# Altium PCB openservo_tessellated.PcbDoc (part 6 of 13) (continued)
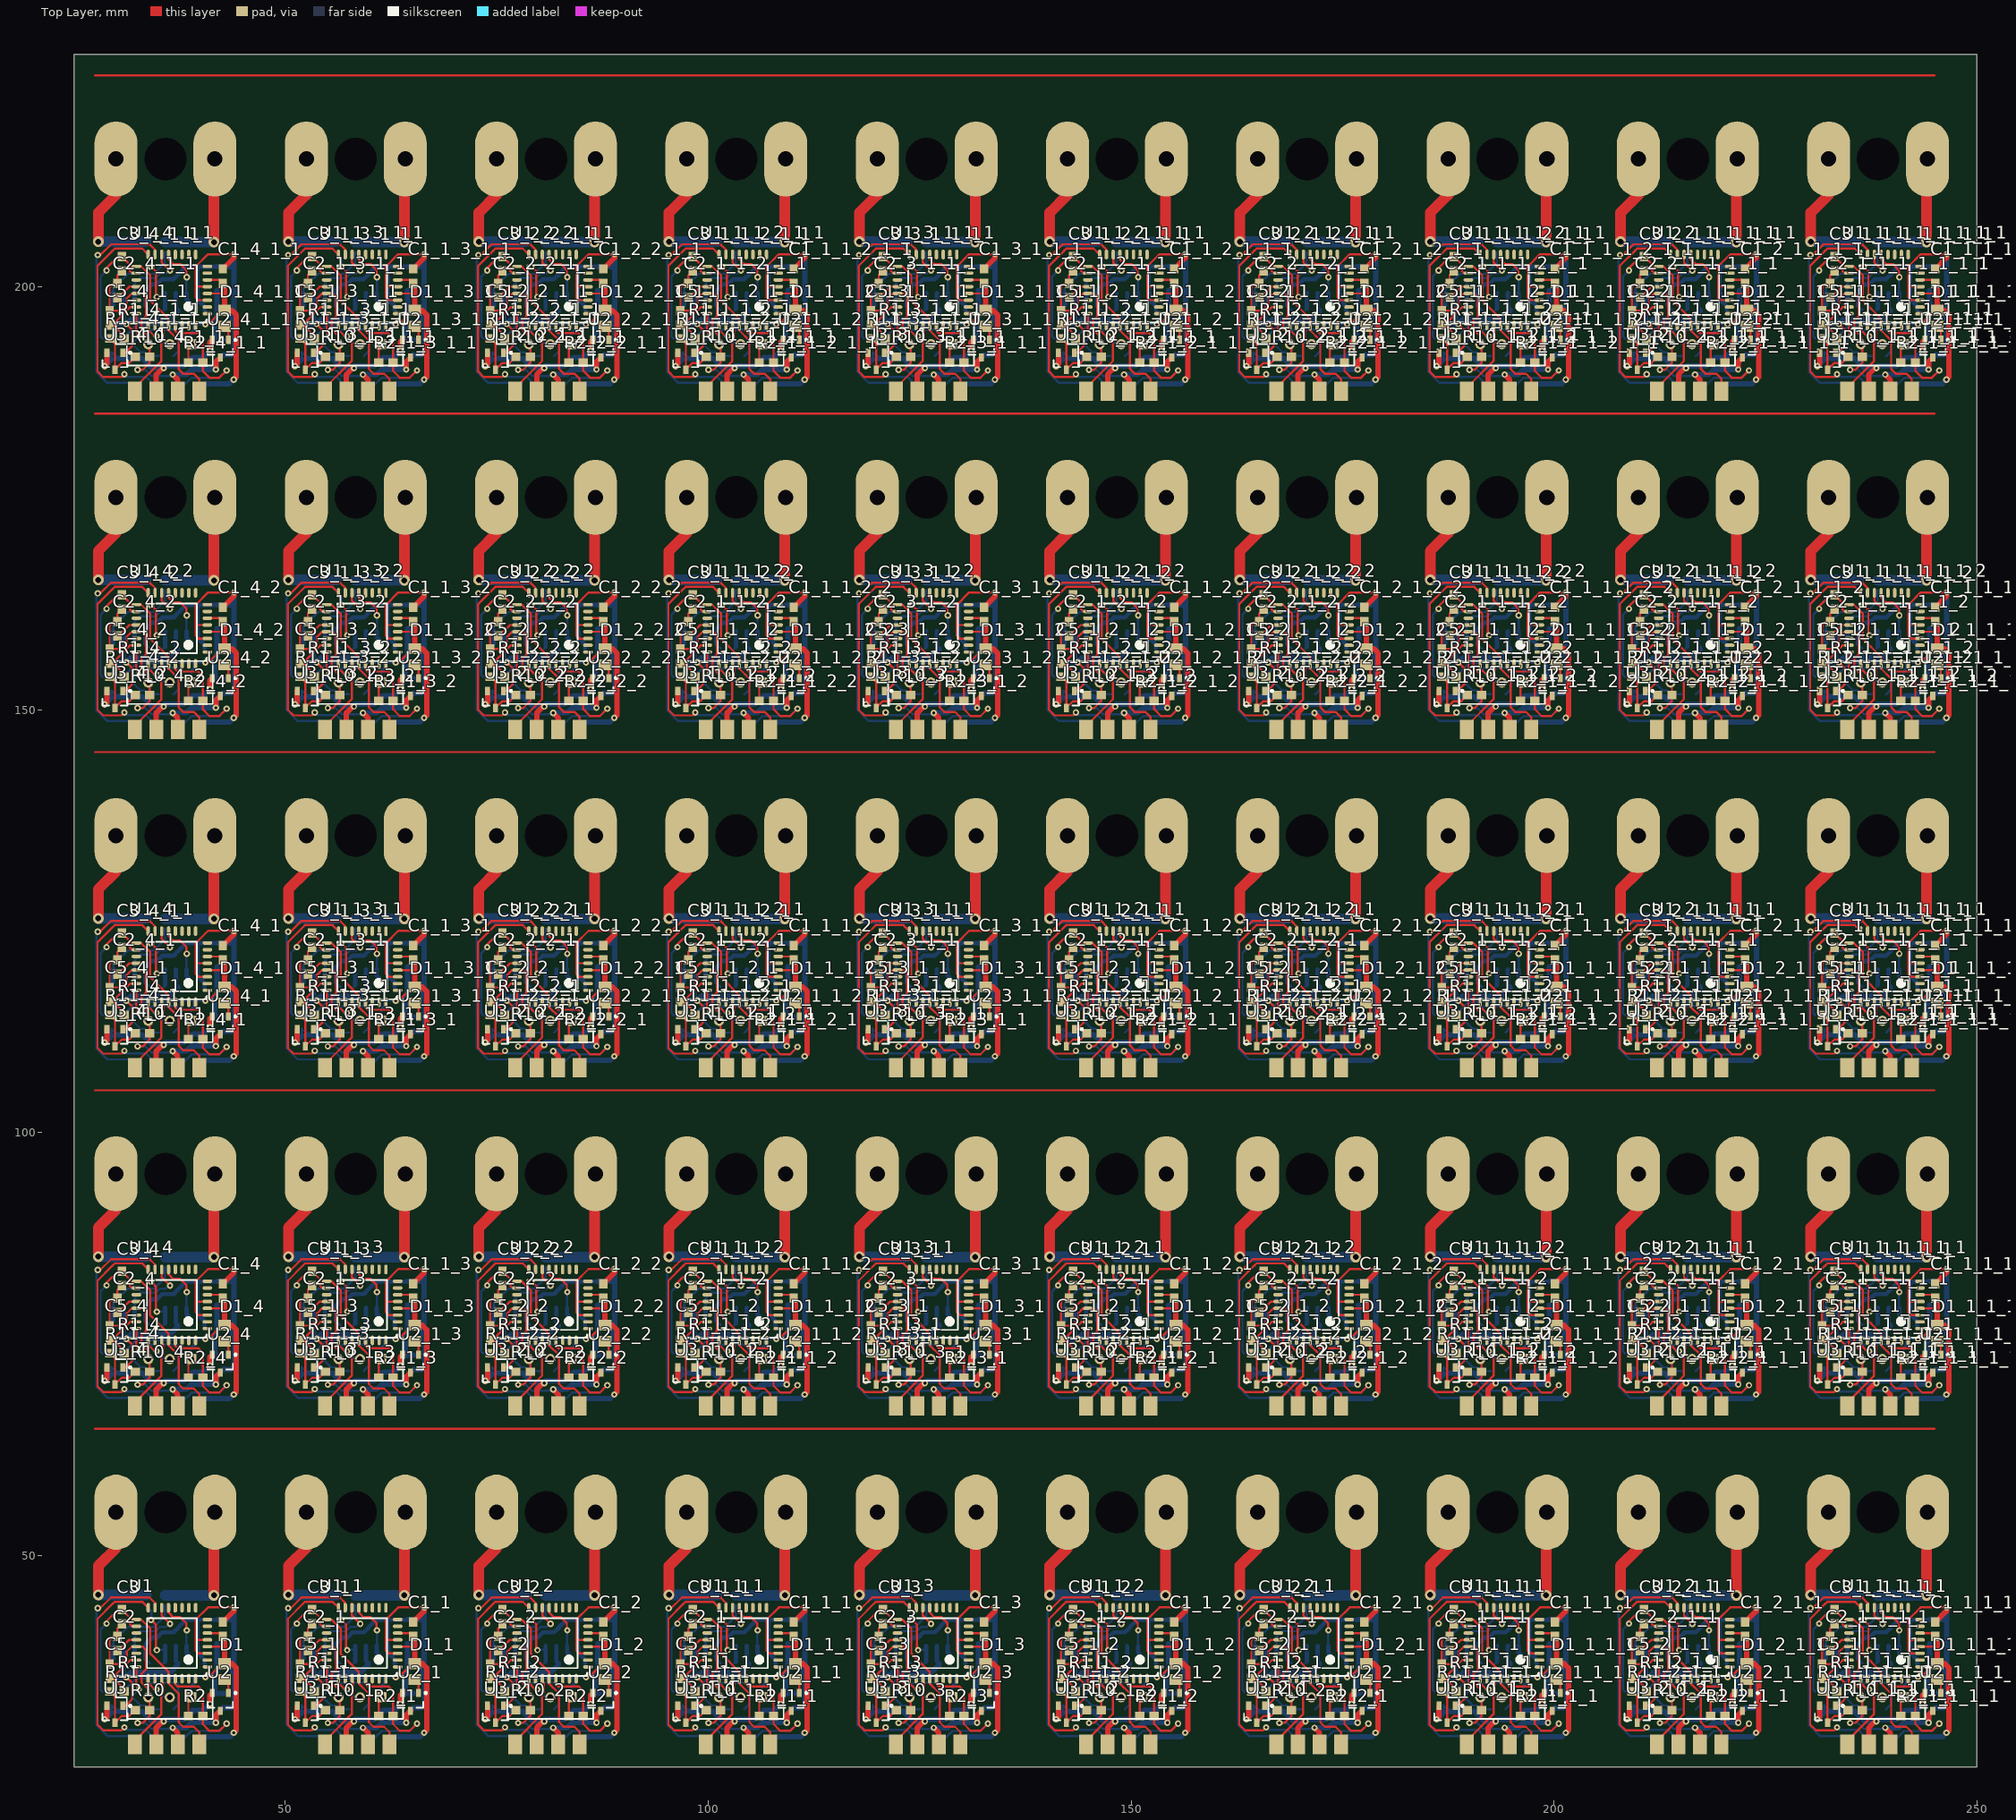
[diagram p0: Top Layer view]
## Nets (pads, with @x,y where several pads share a name; then routed paths per layer and width w, separated by ;. In a path a pad name is that pad's centre, name@x,y a point inside that pad or via, vN(x,y) a via of type N, cw(c..) or ccw(c..) an arc to the next point about the centre after c; other vN are vias at no path point) (continued)
61.337,73.35 ; 61.02,111.039 61.02,113.034 61.337,113.35 ; 61.02,151.039 61.02,153.034 61.337,153.35 ; 61.02,191.039 61.02,193.034 61.337,193.35 ; v1(63.038,35.585) 63.369,35.585 65.004,37.221 65.299,37.221 ; v1(63.038,75.585) 63.369,75.585 65.004,77.221 65.299,77.221 ; v1(63.038,115.585) 63.369,115.585 65.004,117.221 65.299,117.221 ; v1(63.038,155.585) 63.369,155.585 65.004,157.221 65.299,157.221 ; v1(63.038,195.585) 63.369,195.585 65.004,197.221 65.299,197.221 ; 63.244,40.056 63.276,40.024 61.895,40.024 ; 63.244,80.056 63.276,80.024 61.895,80.024 ; 63.244,120.056 63.276,120.024 61.895,120.024 ; 63.244,160.056 63.276,160.024 61.895,160.024 ; 63.244,200.056 63.276,200.024 61.895,200.024 ; 63.276,38.424 62.232,38.424 61.895,38.76 61.895,40.024 ; 63.276,39.224 65.28,39.224 ; 63.276,40.824 64.697,40.824 65.096,40.425 65.299,40.222 ; 63.276,78.424 62.232,78.424 61.895,78.76 61.895,80.024 ; 63.276,79.224 65.28,79.224 ; 63.276,80.824 64.697,80.824 65.096,80.425 65.299,80.222 ; 63.276,118.424 62.232,118.424 61.895,118.76 61.895,120.024 ; 63.276,119.224 65.28,119.224 ; 63.276,120.824 64.697,120.824 65.096,120.425 65.299,120.222 ; 63.276,158.424 62.232,158.424 61.895,158.76 61.895,160.024 ; 63.276,159.224 65.28,159.224 ; 63.276,160.824 64.697,160.824 65.096,160.425 65.299,160.222 ; 63.276,198.424 62.232,198.424 61.895,198.76 61.895,200.024 ; 63.276,199.224 65.28,199.224 ; 63.276,200.824 64.697,200.824 65.096,200.425 65.299,200.222 ; 64.054,55.016 64.156,55.118 ; 64.054,95.016 64.156,95.118 ; 64.054,135.016 64.156,135.118 ; 64.054,175.016 64.156,175.118 ; 64.054,215.016 64.156,215.118 ; 65.741,33.74 65.741,34.879 ; 65.741,73.74 65.741,74.879 ; 65.741,113.74 65.741,114.879 ; 65.741,153.74 65.741,154.879 ; 65.741,193.74 65.741,194.879 ; v1(66.417,43.866) 63.346,43.866 61.895,42.416 61.895,40.024 ; v1(66.417,83.866) 63.346,83.866 61.895,82.416 61.895,80.024 ; v1(66.417,123.866) 63.346,123.866 61.895,122.416 61.895,120.024 ; v1(66.417,163.866) 63.346,163.866 61.895,162.416 61.895,160.024 ; v1(66.417,203.866) 63.346,203.866 61.895,202.416 61.895,200.024 ; v1(72.813,43.764) 73.118,43.764 74.391,45.037 78.931,45.037 79.576,44.393 79.576,43.824 ; v1(72.813,83.764) 73.118,83.764 74.391,85.037 78.931,85.037 79.576,84.393 79.576,83.824 ; v1(72.813,123.764) 73.118,123.764 74.391,125.037 78.931,125.037 79.576,124.393 79.576,123.824 ; v1(72.813,163.764) 73.118,163.764 74.391,165.037 78.931,165.037 79.576,164.393 79.576,163.824 ; v1(72.813,203.764) 73.118,203.764 74.391,205.037 78.931,205.037 79.576,204.393 79.576,203.824 ; v1(73.854,41.935) 73.854,42.24 75.212,43.598 75.658,43.598 76.601,42.655 76.601,41.881 76.858,41.624 77.376,41.624 ; v1(73.854,81.935) 73.854,82.24 75.212,83.598 75.658,83.598 76.601,82.655 76.601,81.881 76.858,81.624 77.376,81.624 ; v1(73.854,121.935) 73.854,122.24 75.212,123.598 75.658,123.598 76.601,122.655 76.601,121.881 76.858,121.624 77.376,121.624 ; v1(73.854,161.935) 73.854,162.24 75.212,163.598 75.658,163.598 76.601,162.655 76.601,161.881 76.858,161.624 77.376,161.624 ; v1(73.854,201.935) 73.854,202.24 75.212,203.598 75.658,203.598 76.601,202.655 76.601,201.881 76.858,201.624 77.376,201.624 ; 74.21,35.472 74.503,35.472 76.655,37.624 77.376,37.624 ; 74.21,75.472 74.503,75.472 76.655,77.624 77.376,77.624 ; 74.21,115.472 74.503,115.472 76.655,117.624 77.376,117.624 ; 74.21,155.472 74.503,155.472 76.655,157.624 77.376,157.624 ; 74.21,195.472 74.503,195.472 76.655,197.624 77.376,197.624 ; 74.224,33.909 74.845,33.288 74.845,30.217 75.642,31.013 76.535,31.013 77.246,31.725 ; 74.224,73.909 74.845,73.288 74.845,70.217 75.642,71.013 76.535,71.013 77.246,71.725 ; 74.224,113.909 74.845,113.288 74.845,110.217 75.642,111.013 76.535,111.013 77.246,111.725 ; 74.224,153.909 74.845,153.288 74.845,150.217 75.642,151.013 76.535,151.013 77.246,151.725 ; 74.224,193.909 74.845,193.288 74.845,190.217 75.642,191.013 76.535,191.013 77.246,191.725 ; 74.513,35.624 76.076,34.061 ; 74.513,75.624 76.076,74.061 ; 74.513,115.624 76.076,114.061 ; 74.513,155.624 76.076,154.061 ; 74.513,195.624 76.076,194.061 ; 74.574,44.306 74.599,44.306 72.788,42.495 72.788,29.997 73.449,29.336 75.631,29.336 v1(75.963,29.667) ; 74.574,84.306 74.599,84.306 72.788,82.495 72.788,69.997 73.449,69.336 75.631,69.336 v1(75.963,69.667) ; 74.574,124.306 74.599,124.306 72.788,122.495 72.788,109.997 73.449,109.336 75.631,109.336 v1(75.963,109.667) ; 74.574,164.306 74.599,164.306 72.788,162.495 72.788,149.997 73.449,149.336 75.631,149.336 v1(75.963,149.667) ; 74.574,204.306 74.599,204.306 ; 74.599,44.306 74.822,44.529 78.071,44.529 78.776,43.824 ; 74.599,84.306 74.822,84.529 78.071,84.529 78.776,83.824 ; 74.599,124.306 74.822,124.529 78.071,124.529 78.776,123.824 ; 74.599,164.306 74.822,164.529 78.071,164.529 78.776,163.824 ; 75.15,38.723 75.24,38.723 76.54,40.024 77.376,40.024 ; 75.15,78.723 75.24,78.723 76.54,80.024 77.376,80.024 ; 75.15,118.723 75.24,118.723 76.54,120.024 77.376,120.024 ; 75.15,158.723 75.24,158.723 76.54,160.024 77.376,160.024 ; 75.15,198.723 75.24,198.723 76.54,200.024 77.376,200.024 ; 75.658,41.898 75.15,41.39 75.15,40.423 75.123,40.45 74.706,40.45 74.21,39.954 74.21,37.172 75.485,37.172 76.242,37.929 76.242,38.633 76.833,39.224 77.376,39.224 78.115,39.224 78.506,38.833 78.506,36.527 77.995,36.015 77.995,34.969 78.833,34.13 78.833,33.274 ; 75.658,81.898 75.15,81.39 75.15,80.423 75.123,80.45 74.706,80.45 74.21,79.954 74.21,77.172 75.485,77.172 76.242,77.929 76.242,78.633 76.833,79.224 77.376,79.224 78.115,79.224 78.506,78.833 78.506,76.527 77.995,76.015 77.995,74.969 78.833,74.13 78.833,73.274 ; 75.658,121.898 75.15,121.39 75.15,120.423 75.123,120.45 74.706,120.45 74.21,119.954 74.21,117.172 75.485,117.172 76.242,117.929 76.242,118.633 76.833,119.224 77.376,119.224 78.115,119.224 78.506,118.833 78.506,116.527 77.995,116.015 77.995,114.969 78.833,114.13 78.833,113.274 ; 75.658,161.898 75.15,161.39 75.15,160.423 75.123,160.45 74.706,160.45 74.21,159.954 74.21,157.172 75.485,157.172 76.242,157.929 76.242,158.633 76.833,159.224 77.376,159.224 78.115,159.224 78.506,158.833 78.506,156.527 77.995,156.015 77.995,154.969 78.833,154.13 78.833,153.274 ; 75.658,201.898 75.15,201.39 75.15,200.423 75.123,200.45 74.706,200.45 74.21,199.954 74.21,197.172 75.485,197.172 76.242,197.929 76.242,198.633 76.833,199.224 77.376,199.224 78.115,199.224 78.506,198.833 78.506,196.527 77.995,196.015 77.995,194.969 78.833,194.13 78.833,193.274 ; 75.795,32.217 76.099,32.217 76.855,32.972 76.855,34.947 v1(76.191,35.611) ; 75.795,72.217 76.099,72.217 76.855,72.972 76.855,74.947 v1(76.191,75.611) ; 75.795,112.217 76.099,112.217 76.855,112.972 76.855,114.947 v1(76.191,115.611) ; 75.795,152.217 76.099,152.217 76.855,152.972 76.855,154.947 v1(76.191,155.611) ; 75.795,192.217 76.099,192.217 76.855,192.972 76.855,194.947 v1(76.191,195.611) ; v1(75.963,189.667) 75.631,189.336 73.449,189.336 72.788,189.997 72.788,202.495 74.599,204.306 ; 77.182,27.661 77.182,28.09 80.341,31.249 80.341,33.63 80.535,33.823 80.535,34.919 80.376,35.077 80.376,35.424 ; 77.182,67.661 77.182,68.09 80.341,71.249 80.341,73.63 80.535,73.823 80.535,74.919 80.376,75.077 80.376,75.424 ; 77.182,107.661 77.182,108.09 80.341,111.249 80.341,113.63 80.535,113.823 80.535,114.919 80.376,115.077 80.376,115.424 ; 77.182,147.661 77.182,148.09 80.341,151.249 80.341,153.63 80.535,153.823 80.535,154.919 80.376,155.077 80.376,155.424 ; 77.182,187.661 77.182,188.09 80.341,191.249 80.341,193.63 80.535,193.823 80.535,194.919 80.376,195.077 80.376,195.424 ; 77.376,36.824 77.376,34.68 77.741,34.315 77.741,34.265 v1(77.639,34.163) ; 77.376,42.424 77.948,42.424 79.014,41.358 79.014,38.39 81.176,36.229 81.176,35.424 81.176,34.858 82.363,33.671 82.363,30.277 82.897,29.743 84.167,29.743 84.802,29.108 84.802,27.661 ; 77.376,76.824 77.376,74.68 77.741,74.315 77.741,74.265 v1(77.639,74.163) ; 77.376,82.424 77.948,82.424 79.014,81.358 79.014,78.39 81.176,76.229 81.176,75.424 81.176,74.858 82.363,73.671 82.363,70.277 82.897,69.743 84.167,69.743 84.802,69.108 84.802,67.661 ; 77.376,116.824 77.376,114.68 77.741,114.315 77.741,114.265 v1(77.639,114.163) ; 77.376,122.424 77.948,122.424 79.014,121.358 79.014,118.39 81.176,116.229 81.176,115.424 81.176,114.858 82.363,113.671 82.363,110.277 82.897,109.743 84.167,109.743 84.802,109.108 84.802,107.661 ; 77.376,156.824 77.376,154.68 77.741,154.315 77.741,154.265 v1(77.639,154.163) ; 77.376,162.424 77.948,162.424 79.014,161.358 79.014,158.39 81.176,156.229 81.176,155.424 81.176,154.858 82.363,153.671 82.363,150.277 82.897,149.743 84.167,149.743 84.802,149.108 84.802,147.661 ; 77.376,196.824 77.376,194.68 77.741,194.315 77.741,194.265 v1(77.639,194.163) ; 77.376,202.424 77.948,202.424 79.014,201.358 79.014,198.39 81.176,196.229 81.176,195.424 81.176,194.858 82.363,193.671 82.363,190.277 82.897,189.743 84.167,189.743 84.802,189.108 84.802,187.661 ; v1(77.512,30.201) 78.122,30.201 78.946,31.025 78.946,33.161 78.833,33.274 ; v1(77.512,70.201) 78.122,70.201 78.946,71.025 78.946,73.161 78.833,73.274 ; v1(77.512,110.201) 78.122,110.201 78.946,111.025 78.946,113.161 78.833,113.274 ; v1(77.512,150.201) 78.122,150.201 78.946,151.025 78.946,153.161 78.833,153.274 ; v1(77.512,190.201) 78.122,190.201 78.946,191.025 78.946,193.161 78.833,193.274 ; 78.757,33.35 78.833,33.274 ; 78.757,73.35 78.833,73.274 ; 78.757,113.35 78.833,113.274 ; 78.757,153.35 78.833,153.274 ; 78.757,193.35 78.833,193.274 ; 78.776,35.424 78.776,34.906 79.417,34.265 79.722,34.265 79.797,34.189 79.797,34.188 v1(79.773,34.163) ; 78.776,75.424 78.776,74.906 79.417,74.265 79.722,74.265 79.797,74.189 79.797,74.188 v1(79.773,74.163) ; 78.776,115.424 78.776,114.906 79.417,114.265 79.722,114.265 79.797,114.189 79.797,114.188 v1(79.773,114.163) ; 78.776,155.424 78.776,154.906 79.417,154.265 79.722,154.265 79.797,154.189 79.797,154.188 v1(79.773,154.163) ; 78.776,195.424 78.776,194.906 79.417,194.265 79.722,194.265 79.797,194.189 79.797,194.188 v1(79.773,194.163) ; 78.776,203.824 78.071,204.529 74.822,204.529 74.599,204.306 ; v1(79.106,42.376) 79.129,42.376 79.671,41.834 79.671,38.811 v1(79.798,38.811) ; v1(79.106,82.376) 79.129,82.376 79.671,81.834 79.671,78.811 v1(79.798,78.811) ; v1(79.106,122.376) 79.129,122.376 79.671,121.834 79.671,118.811 v1(79.798,118.811) ; v1(79.106,162.376) 79.129,162.376 79.671,161.834 79.671,158.811 v1(79.798,158.811) ; v1(79.106,202.376) 79.129,202.376 79.671,201.834 79.671,198.811 v1(79.798,198.811) ; 80.376,43.824 80.376,42.881 v1(81.347,41.91) ; 80.376,83.824 80.376,82.881 v1(81.347,81.91) ; 80.376,123.824 80.376,122.881 v1(81.347,121.91) ; 80.376,163.824 80.376,162.881 v1(81.347,161.91) ; 80.376,203.824 80.376,202.881 v1(81.347,201.91) ; v1@80.408,30.328 80.458,30.378 v1(80.611,30.378) ; v1@80.408,70.328 80.458,70.378 v1(80.611,70.378) ; v1@80.408,110.328 80.458,110.378 v1(80.611,110.378) ; v1@80.408,150.328 80.458,150.378 v1(80.611,150.378) ; v1@80.408,190.328 80.458,190.378 v1(80.611,190.378) ; 81.176,43.824 81.176,43.252 81.734,42.694 82.57,42.694 83.28,41.984 v1@83.28,41.148 ; 81.176,83.824 81.176,83.252 81.734,82.694 82.57,82.694 83.28,81.984 v1@83.28,81.148 ; 81.176,123.824 81.176,123.252 81.734,122.694 82.57,122.694 83.28,121.984 v1@83.28,121.148 ; 81.176,163.824 81.176,163.252 81.734,162.694 82.57,162.694 83.28,161.984 v1@83.28,161.148 ; 81.176,203.824 81.176,203.252 81.734,202.694 82.57,202.694 83.28,201.984 v1@83.28,201.148 ; 81.976,35.424 81.976,34.779 82.233,34.522 84.671,34.522 85.22,33.973 85.22,31.039 85.22,30.062 86.021,29.261 87.189,29.261 v1(88.053,30.124) ; 81.976,75.424 81.976,74.779 82.233,74.522 84.671,74.522 85.22,73.973 85.22,71.039 85.22,70.062 86.021,69.261 87.189,69.261 v1(88.053,70.124) ; 81.976,115.424 81.976,114.779 82.233,114.522 84.671,114.522 85.22,113.973 85.22,111.039 85.22,110.062 86.021,109.261 87.189,109.261 v1(88.053,110.124) ; 81.976,155.424 81.976,154.779 82.233,154.522 84.671,154.522 85.22,153.973 85.22,151.039 85.22,150.062 86.021,149.261 87.189,149.261 v1(88.053,150.124) ; 81.976,195.424 81.976,194.779 82.233,194.522 84.671,194.522 85.22,193.973 85.22,191.039 85.22,190.062 86.021,189.261 87.189,189.261 v1(88.053,190.124) ; 83.52,31.039 83.52,33.034 83.837,33.35 ; 83.52,71.039 83.52,73.034 83.837,73.35 ; 83.52,111.039 83.52,113.034 83.837,113.35 ; 83.52,151.039 83.52,153.034 83.837,153.35 ; 83.52,191.039 83.52,193.034 83.837,193.35 ; v1(85.538,35.585) 85.869,35.585 87.504,37.221 87.799,37.221 ; v1(85.538,75.585) 85.869,75.585 87.504,77.221 87.799,77.221 ; v1(85.538,115.585) 85.869,115.585 87.504,117.221 87.799,117.221 ; v1(85.538,155.585) 85.869,155.585 87.504,157.221 87.799,157.221 ; v1(85.538,195.585) 85.869,195.585 87.504,197.221 87.799,197.221 ; 85.744,40.056 85.776,40.024 84.395,40.024 ; 85.744,80.056 85.776,80.024 84.395,80.024 ; 85.744,120.056 85.776,120.024 84.395,120.024 ; 85.744,160.056 85.776,160.024 84.395,160.024 ; 85.744,200.056 85.776,200.024 84.395,200.024 ; 85.776,38.424 84.732,38.424 84.395,38.76 84.395,40.024 ; 85.776,39.224 87.78,39.224 ; 85.776,40.824 87.197,40.824 87.596,40.425 87.799,40.222 ; 85.776,78.424 84.732,78.424 84.395,78.76 84.395,80.024 ; 85.776,79.224 87.78,79.224 ; 85.776,80.824 87.197,80.824 87.596,80.425 87.799,80.222 ; 85.776,118.424 84.732,118.424 84.395,118.76 84.395,120.024 ; 85.776,119.224 87.78,119.224 ; 85.776,120.824 87.197,120.824 87.596,120.425 87.799,120.222 ; 85.776,158.424 84.732,158.424 84.395,158.76 84.395,160.024 ; 85.776,159.224 87.78,159.224 ; 85.776,160.824 87.197,160.824 87.596,160.425 87.799,160.222 ; 85.776,198.424 84.732,198.424 84.395,198.76 84.395,200.024 ; 85.776,199.224 87.78,199.224 ; 85.776,200.824 87.197,200.824 87.596,200.425 87.799,200.222 ; 86.554,55.016 86.656,55.118 ; 86.554,95.016 86.656,95.118 ; 86.554,135.016 86.656,135.118 ; 86.554,175.016 86.656,175.118 ; 86.554,215.016 86.656,215.118 ; 88.241,33.74 88.241,34.879 ; 88.241,73.74 88.241,74.879 ; 88.241,113.74 88.241,114.879 ; 88.241,153.74 88.241,154.879 ; 88.241,193.74 88.241,194.879 ; v1(88.917,43.866) 85.846,43.866 84.395,42.416 84.395,40.024 ; v1(88.917,83.866) 85.846,83.866 84.395,82.416 84.395,80.024 ; v1(88.917,123.866) 85.846,123.866 84.395,122.416 84.395,120.024 ; v1(88.917,163.866) 85.846,163.866 84.395,162.416 84.395,160.024 ; v1(88.917,203.866) 85.846,203.866 84.395,202.416 84.395,200.024 ; v1(95.313,43.764) 95.618,43.764 96.891,45.037 101.431,45.037 102.076,44.393 102.076,43.824 ; v1(95.313,83.764) 95.618,83.764 96.891,85.037 101.431,85.037 102.076,84.393 102.076,83.824 ; v1(95.313,123.764) 95.618,123.764 96.891,125.037 101.431,125.037 102.076,124.393 102.076,123.824 ; v1(95.313,163.764) 95.618,163.764 96.891,165.037 101.431,165.037 102.076,164.393 102.076,163.824 ; v1(95.313,203.764) 95.618,203.764 96.891,205.037 101.431,205.037 102.076,204.393 102.076,203.824 ; v1(96.354,41.935) 96.354,42.24 97.712,43.598 98.158,43.598 99.101,42.655 99.101,41.881 99.358,41.624 99.876,41.624 ; v1(96.354,81.935) 96.354,82.24 97.712,83.598 98.158,83.598 99.101,82.655 99.101,81.881 99.358,81.624 99.876,81.624 ; v1(96.354,121.935) 96.354,122.24 97.712,123.598 98.158,123.598 99.101,122.655 99.101,121.881 99.358,121.624 99.876,121.624 ; v1(96.354,161.935) 96.354,162.24 97.712,163.598 98.158,163.598 99.101,162.655 99.101,161.881 99.358,161.624 99.876,161.624 ; v1(96.354,201.935) 96.354,202.24 97.712,203.598 98.158,203.598 99.101,202.655 99.101,201.881 99.358,201.624 99.876,201.624 ; 96.71,35.472 97.003,35.472 99.155,37.624 99.876,37.624 ; 96.71,75.472 97.003,75.472 99.155,77.624 99.876,77.624 ; 96.71,115.472 97.003,115.472 99.155,117.624 99.876,117.624 ; 96.71,155.472 97.003,155.472 99.155,157.624 99.876,157.624 ; 96.71,195.472 97.003,195.472 99.155,197.624 99.876,197.624 ; 96.724,33.909 97.345,33.288 97.345,30.217 98.142,31.013 99.035,31.013 99.746,31.725 ; 96.724,73.909 97.345,73.288 97.345,70.217 98.142,71.013 99.035,71.013 99.746,71.725 ; 96.724,113.909 97.345,113.288 97.345,110.217 98.142,111.013 99.035,111.013 99.746,111.725 ; 96.724,153.909 97.345,153.288 97.345,150.217 98.142,151.013 99.035,151.013 99.746,151.725 ; 96.724,193.909 97.345,193.288 97.345,190.217 98.142,191.013 99.035,191.013 99.746,191.725 ; 97.013,35.624 98.576,34.061 ; 97.013,75.624 98.576,74.061 ; 97.013,115.624 98.576,114.061 ; 97.013,155.624 98.576,154.061 ; 97.013,195.624 98.576,194.061 ; 97.074,44.306 97.099,44.306 95.288,42.495 95.288,29.997 95.949,29.336 98.131,29.336 v1(98.463,29.667) ; 97.074,84.306 97.099,84.306 95.288,82.495 95.288,69.997 95.949,69.336 98.131,69.336 v1(98.463,69.667) ; 97.074,124.306 97.099,124.306 95.288,122.495 95.288,109.997 95.949,109.336 98.131,109.336 v1(98.463,109.667) ; 97.074,164.306 97.099,164.306 95.288,162.495 95.288,149.997 95.949,149.336 98.131,149.336 v1(98.463,149.667) ; 97.074,204.306 97.099,204.306 ; 97.099,44.306 97.322,44.529 100.571,44.529 101.276,43.824 ; 97.099,84.306 97.322,84.529 100.571,84.529 101.276,83.824 ; 97.099,124.306 97.322,124.529 100.571,124.529 101.276,123.824 ; 97.099,164.306 97.322,164.529 100.571,164.529 101.276,163.824 ; 97.65,38.723 97.74,38.723 99.04,40.024 99.876,40.024 ; 97.65,78.723 97.74,78.723 99.04,80.024 99.876,80.024 ; 97.65,118.723 97.74,118.723 99.04,120.024 99.876,120.024 ; 97.65,158.723 97.74,158.723 99.04,160.024 99.876,160.024 ; 97.65,198.723 97.74,198.723 99.04,200.024 99.876,200.024 ; 98.158,41.898 97.65,41.39 97.65,40.423 97.623,40.45 97.206,40.45 96.71,39.954 96.71,37.172 97.985,37.172 98.742,37.929 98.742,38.633 99.333,39.224 99.876,39.224 100.615,39.224 101.006,38.833 101.006,36.527 100.495,36.015 100.495,34.969 101.333,34.13 101.333,33.274 ; 98.158,81.898 97.65,81.39 97.65,80.423 97.623,80.45 97.206,80.45 96.71,79.954 96.71,77.172 97.985,77.172 98.742,77.929 98.742,78.633 99.333,79.224 99.876,79.224 100.615,79.224 101.006,78.833 101.006,76.527 100.495,76.015 100.495,74.969 101.333,74.13 101.333,73.274 ; 98.158,121.898 97.65,121.39 97.65,120.423 97.623,120.45 97.206,120.45 96.71,119.954 96.71,117.172 97.985,117.172 98.742,117.929 98.742,118.633 99.333,119.224 99.876,119.224 100.615,119.224 101.006,118.833 101.006,116.527 100.495,116.015 100.495,114.969 101.333,114.13 101.333,113.274 ; 98.158,161.898 97.65,161.39 97.65,160.423 97.623,160.45 97.206,160.45 96.71,159.954 96.71,157.172 97.985,157.172 98.742,157.929 98.742,158.633 99.333,159.224 99.876,159.224 100.615,159.224 101.006,158.833 101.006,156.527 100.495,156.015 100.495,154.969 101.333,154.13 101.333,153.274 ; 98.158,201.898 97.65,201.39 97.65,200.423 97.623,200.45 97.206,200.45 96.71,199.954 96.71,197.172 97.985,197.172 98.742,197.929 98.742,198.633 99.333,199.224 99.876,199.224 100.615,199.224 101.006,198.833 101.006,196.527 100.495,196.015 100.495,194.969 101.333,194.13 101.333,193.274 ; 98.295,32.217 98.599,32.217 99.355,32.972 99.355,34.947 v1(98.691,35.611) ; 98.295,72.217 98.599,72.217 99.355,72.972 99.355,74.947 v1(98.691,75.611) ; 98.295,112.217 98.599,112.217 99.355,112.972 99.355,114.947 v1(98.691,115.611) ; 98.295,152.217 98.599,152.217 99.355,152.972 99.355,154.947 v1(98.691,155.611) ; 98.295,192.217 98.599,192.217 99.355,192.972 99.355,194.947 v1(98.691,195.611) ; v1(98.463,189.667) 98.131,189.336 95.949,189.336 95.288,189.997 95.288,202.495 97.099,204.306 ; 99.682,27.661 99.682,28.09 102.841,31.249 102.841,33.63 103.035,33.823 103.035,34.919 102.876,35.077 102.876,35.424 ; 99.682,67.661 99.682,68.09 102.841,71.249 102.841,73.63 103.035,73.823 103.035,74.919 102.876,75.077 102.876,75.424 ; 99.682,107.661 99.682,108.09 102.841,111.249 102.841,113.63 103.035,113.823 103.035,114.919 102.876,115.077 102.876,115.424 ; 99.682,147.661 99.682,148.09 102.841,151.249 102.841,153.63 103.035,153.823 103.035,154.919 102.876,155.077 102.876,155.424 ; 99.682,187.661 99.682,188.09 102.841,191.249 102.841,193.63 103.035,193.823 103.035,194.919 102.876,195.077 102.876,195.424 ; 99.876,36.824 99.876,34.68 100.241,34.315 100.241,34.265 v1(100.139,34.163) ; 99.876,42.424 100.448,42.424 101.514,41.358 101.514,38.39 103.676,36.229 103.676,35.424 103.676,34.858 104.863,33.671 104.863,30.277 105.397,29.743 106.667,29.743 107.302,29.108 107.302,27.661 ; 99.876,76.824 99.876,74.68 100.241,74.315 100.241,74.265 v1(100.139,74.163) ; 99.876,82.424 100.448,82.424 101.514,81.358 101.514,78.39 103.676,76.229 103.676,75.424 103.676,74.858 104.863,73.671 104.863,70.277 105.397,69.743 106.667,69.743 107.302,69.108 107.302,67.661 ; 99.876,116.824 99.876,114.68 100.241,114.315 100.241,114.265 v1(100.139,114.163) ; 99.876,122.424 100.448,122.424 101.514,121.358 101.514,118.39 103.676,116.229 103.676,115.424 103.676,114.858 104.863,113.671 104.863,110.277 105.397,109.743 106.667,109.743 107.302,109.108 107.302,107.661 ; 99.876,156.824 99.876,154.68 100.241,154.315 100.241,154.265 v1(100.139,154.163) ; 99.876,162.424 100.448,162.424 101.514,161.358 101.514,158.39 103.676,156.229 103.676,155.424 103.676,154.858 104.863,153.671 104.863,150.277 105.397,149.743 106.667,149.743 107.302,149.108 107.302,147.661 ; 99.876,196.824 99.876,194.68 100.241,194.315 100.241,194.265 v1(100.139,194.163) ; 99.876,202.424 100.448,202.424 101.514,201.358 101.514,198.39 103.676,196.229 103.676,195.424 103.676,194.858 104.863,193.671 104.863,190.277 105.397,189.743 106.667,189.743 107.302,189.108 107.302,187.661 ; v1(100.012,30.201) 100.622,30.201 101.446,31.025 101.446,33.161 101.333,33.274 ; v1(100.012,70.201) 100.622,70.201 101.446,71.025 101.446,73.161 101.333,73.274 ; v1(100.012,110.201) 100.622,110.201 101.446,111.025 101.446,113.161 101.333,113.274 ; v1(100.012,150.201) 100.622,150.201 101.446,151.025 101.446,153.161 101.333,153.274 ; v1(100.012,190.201) 100.622,190.201 101.446,191.025 101.446,193.161 101.333,193.274 ; 101.257,33.35 101.333,33.274 ; 101.257,73.35 101.333,73.274 ; 101.257,113.35 101.333,113.274 ; 101.257,153.35 101.333,153.274 ; 101.257,193.35 101.333,193.274 ; 101.276,35.424 101.276,34.906 101.917,34.265 102.222,34.265 102.297,34.189 102.297,34.188 v1(102.273,34.163) ; 101.276,75.424 101.276,74.906 101.917,74.265 102.222,74.265 102.297,74.189 102.297,74.188 v1(102.273,74.163) ; 101.276,115.424 101.276,114.906 101.917,114.265 102.222,114.265 102.297,114.189 102.297,114.188 v1(102.273,114.163) ; 101.276,155.424 101.276,154.906 101.917,154.265 102.222,154.265 102.297,154.189 102.297,154.188 v1(102.273,154.163) ; 101.276,195.424 101.276,194.906 101.917,194.265 102.222,194.265 102.297,194.189 102.297,194.188 v1(102.273,194.163) ; 101.276,203.824 100.571,204.529 97.322,204.529 97.099,204.306 ; v1(101.606,42.376) 101.629,42.376 102.171,41.834 102.171,38.811 v1(102.298,38.811) ; v1(101.606,82.376) 101.629,82.376 102.171,81.834 102.171,78.811 v1(102.298,78.811) ; v1(101.606,122.376) 101.629,122.376 102.171,121.834 102.171,118.811 v1(102.298,118.811) ; v1(101.606,162.376) 101.629,162.376 102.171,161.834 102.171,158.811 v1(102.298,158.811) ; v1(101.606,202.376) 101.629,202.376 102.171,201.834 102.171,198.811 v1(102.298,198.811) ; 102.876,43.824 102.876,42.881 v1(103.847,41.91) ; 102.876,83.824 102.876,82.881 v1(103.847,81.91) ; 102.876,123.824 102.876,122.881 v1(103.847,121.91) ; 102.876,163.824 102.876,162.881 v1(103.847,161.91) ; 102.876,203.824 102.876,202.881 v1(103.847,201.91) ; v1@102.908,30.328 102.958,30.378 v1(103.111,30.378) ; v1@102.908,70.328 102.958,70.378 v1(103.111,70.378) ; v1@102.908,110.328 102.958,110.378 v1(103.111,110.378) ; v1@102.908,150.328 102.958,150.378 v1(103.111,150.378) ; v1@102.908,190.328 102.958,190.378 v1(103.111,190.378) ; 103.676,43.824 103.676,43.252 104.234,42.694 105.07,42.694 105.78,41.984 v1@105.78,41.148 ; 103.676,83.824 103.676,83.252 104.234,82.694 105.07,82.694 105.78,81.984 v1@105.78,81.148 ; 103.676,123.824 103.676,123.252 104.234,122.694 105.07,122.694 105.78,121.984 v1@105.78,121.148 ; 103.676,163.824 103.676,163.252 104.234,162.694 105.07,162.694 105.78,161.984 v1@105.78,161.148 ; 103.676,203.824 103.676,203.252 104.234,202.694 105.07,202.694 105.78,201.984 v1@105.78,201.148 ; 104.476,35.424 104.476,34.779 104.733,34.522 107.171,34.522 107.72,33.973 107.72,31.039 107.72,30.062 108.521,29.261 109.689,29.261 v1(110.553,30.124) ; 104.476,75.424 104.476,74.779 104.733,74.522 107.171,74.522 107.72,73.973 107.72,71.039 107.72,70.062 108.521,69.261 109.689,69.261 v1(110.553,70.124) ; 104.476,115.424 104.476,114.779 104.733,114.522 107.171,114.522 107.72,113.973 107.72,111.039 107.72,110.062 108.521,109.261 109.689,109.261 v1(110.553,110.124) ; 104.476,155.424 104.476,154.779 104.733,154.522 107.171,154.522 107.72,153.973 107.72,151.039 107.72,150.062 108.521,149.261 109.689,149.261 v1(110.553,150.124) ; 104.476,195.424 104.476,194.779 104.733,194.522 107.171,194.522 107.72,193.973 107.72,191.039 107.72,190.062 108.521,189.261 109.689,189.261 v1(110.553,190.124) ; 106.02,31.039 106.02,33.034 106.337,33.35 ; 106.02,71.039 106.02,73.034 106.337,73.35 ; 106.02,111.039 106.02,113.034 106.337,113.35 ; 106.02,151.039 106.02,153.034 106.337,153.35 ; 106.02,191.039 106.02,193.034 106.337,193.35 ; v1(108.038,35.585) 108.369,35.585 110.004,37.221 110.299,37.221 ; v1(108.038,75.585) 108.369,75.585 110.004,77.221 110.299,77.221 ; v1(108.038,115.585) 108.369,115.585 110.004,117.221 110.299,117.221 ; v1(108.038,155.585) 108.369,155.585 110.004,157.221 110.299,157.221 ; v1(108.038,195.585) 108.369,195.585 110.004,197.221 110.299,197.221 ; 108.244,40.056 108.276,40.024 106.895,40.024 ; 108.244,80.056 108.276,80.024 106.895,80.024 ; 108.244,120.056 108.276,120.024 106.895,120.024 ; 108.244,160.056 108.276,160.024 106.895,160.024 ; 108.244,200.056 108.276,200.024 106.895,200.024 ; 108.276,38.424 107.232,38.424 106.895,38.76 106.895,40.024 ; 108.276,39.224 110.28,39.224 ; 108.276,40.824 109.697,40.824 110.096,40.425 110.299,40.222 ; 108.276,78.424 107.232,78.424 106.895,78.76 106.895,80.024 ; 108.276,79.224 110.28,79.224 ; 108.276,80.824 109.697,80.824 110.096,80.425 110.299,80.222 ; 108.276,118.424 107.232,118.424 106.895,118.76 106.895,120.024 ; 108.276,119.224 110.28,119.224 ; 108.276,120.824 109.697,120.824 110.096,120.425 110.299,120.222 ; 108.276,158.424 107.232,158.424 106.895,158.76 106.895,160.024 ; 108.276,159.224 110.28,159.224 ; 108.276,160.824 109.697,160.824 110.096,160.425 110.299,160.222 ; 108.276,198.424 107.232,198.424 106.895,198.76 106.895,200.024 ; 108.276,199.224 110.28,199.224 ; 108.276,200.824 109.697,200.824 110.096,200.425 110.299,200.222 ; 109.054,55.016 109.156,55.118 ; 109.054,95.016 109.156,95.118 ; 109.054,135.016 109.156,135.118 ; 109.054,175.016 109.156,175.118 ; 109.054,215.016 109.156,215.118 ; 110.741,33.74 110.741,34.879 ; 110.741,73.74 110.741,74.879 ; 110.741,113.74 110.741,114.879 ; 110.741,153.74 110.741,154.879 ; 110.741,193.74 110.741,194.879 ; v1(111.417,43.866) 108.346,43.866 106.895,42.416 106.895,40.024 ; v1(111.417,83.866) 108.346,83.866 106.895,82.416 106.895,80.024 ; v1(111.417,123.866) 108.346,123.866 106.895,122.416 106.895,120.024 ; v1(111.417,163.866) 108.346,163.866 106.895,162.416 106.895,160.024 ; v1(111.417,203.866) 108.346,203.866 106.895,202.416 106.895,200.024 ; v1(117.813,43.764) 118.118,43.764 119.391,45.037 123.931,45.037 124.576,44.393 124.576,43.824 ; v1(117.813,83.764) 118.118,83.764 119.391,85.037 123.931,85.037 124.576,84.393 124.576,83.824 ; v1(117.813,123.764) 118.118,123.764 119.391,125.037 123.931,125.037 124.576,124.393 124.576,123.824 ; v1(117.813,163.764) 118.118,163.764 119.391,165.037 123.931,165.037 124.576,164.393 124.576,163.824 ; v1(117.813,203.764) 118.118,203.764 119.391,205.037 123.931,205.037 124.576,204.393 124.576,203.824 ; v1(118.854,41.935) 118.854,42.24 120.212,43.598 120.658,43.598 121.601,42.655 121.601,41.881 121.858,41.624 122.376,41.624 ; v1(118.854,81.935) 118.854,82.24 120.212,83.598 120.658,83.598 121.601,82.655 121.601,81.881 121.858,81.624 122.376,81.624 ; v1(118.854,121.935) 118.854,122.24 120.212,123.598 120.658,123.598 121.601,122.655 121.601,121.881 121.858,121.624 122.376,121.624 ; v1(118.854,161.935) 118.854,162.24 120.212,163.598 120.658,163.598 121.601,162.655 121.601,161.881 121.858,161.624 122.376,161.624